# Altium PCB EDA-03517-V2-0_pcb.pcbdoc (part 1 of 5) (continued)
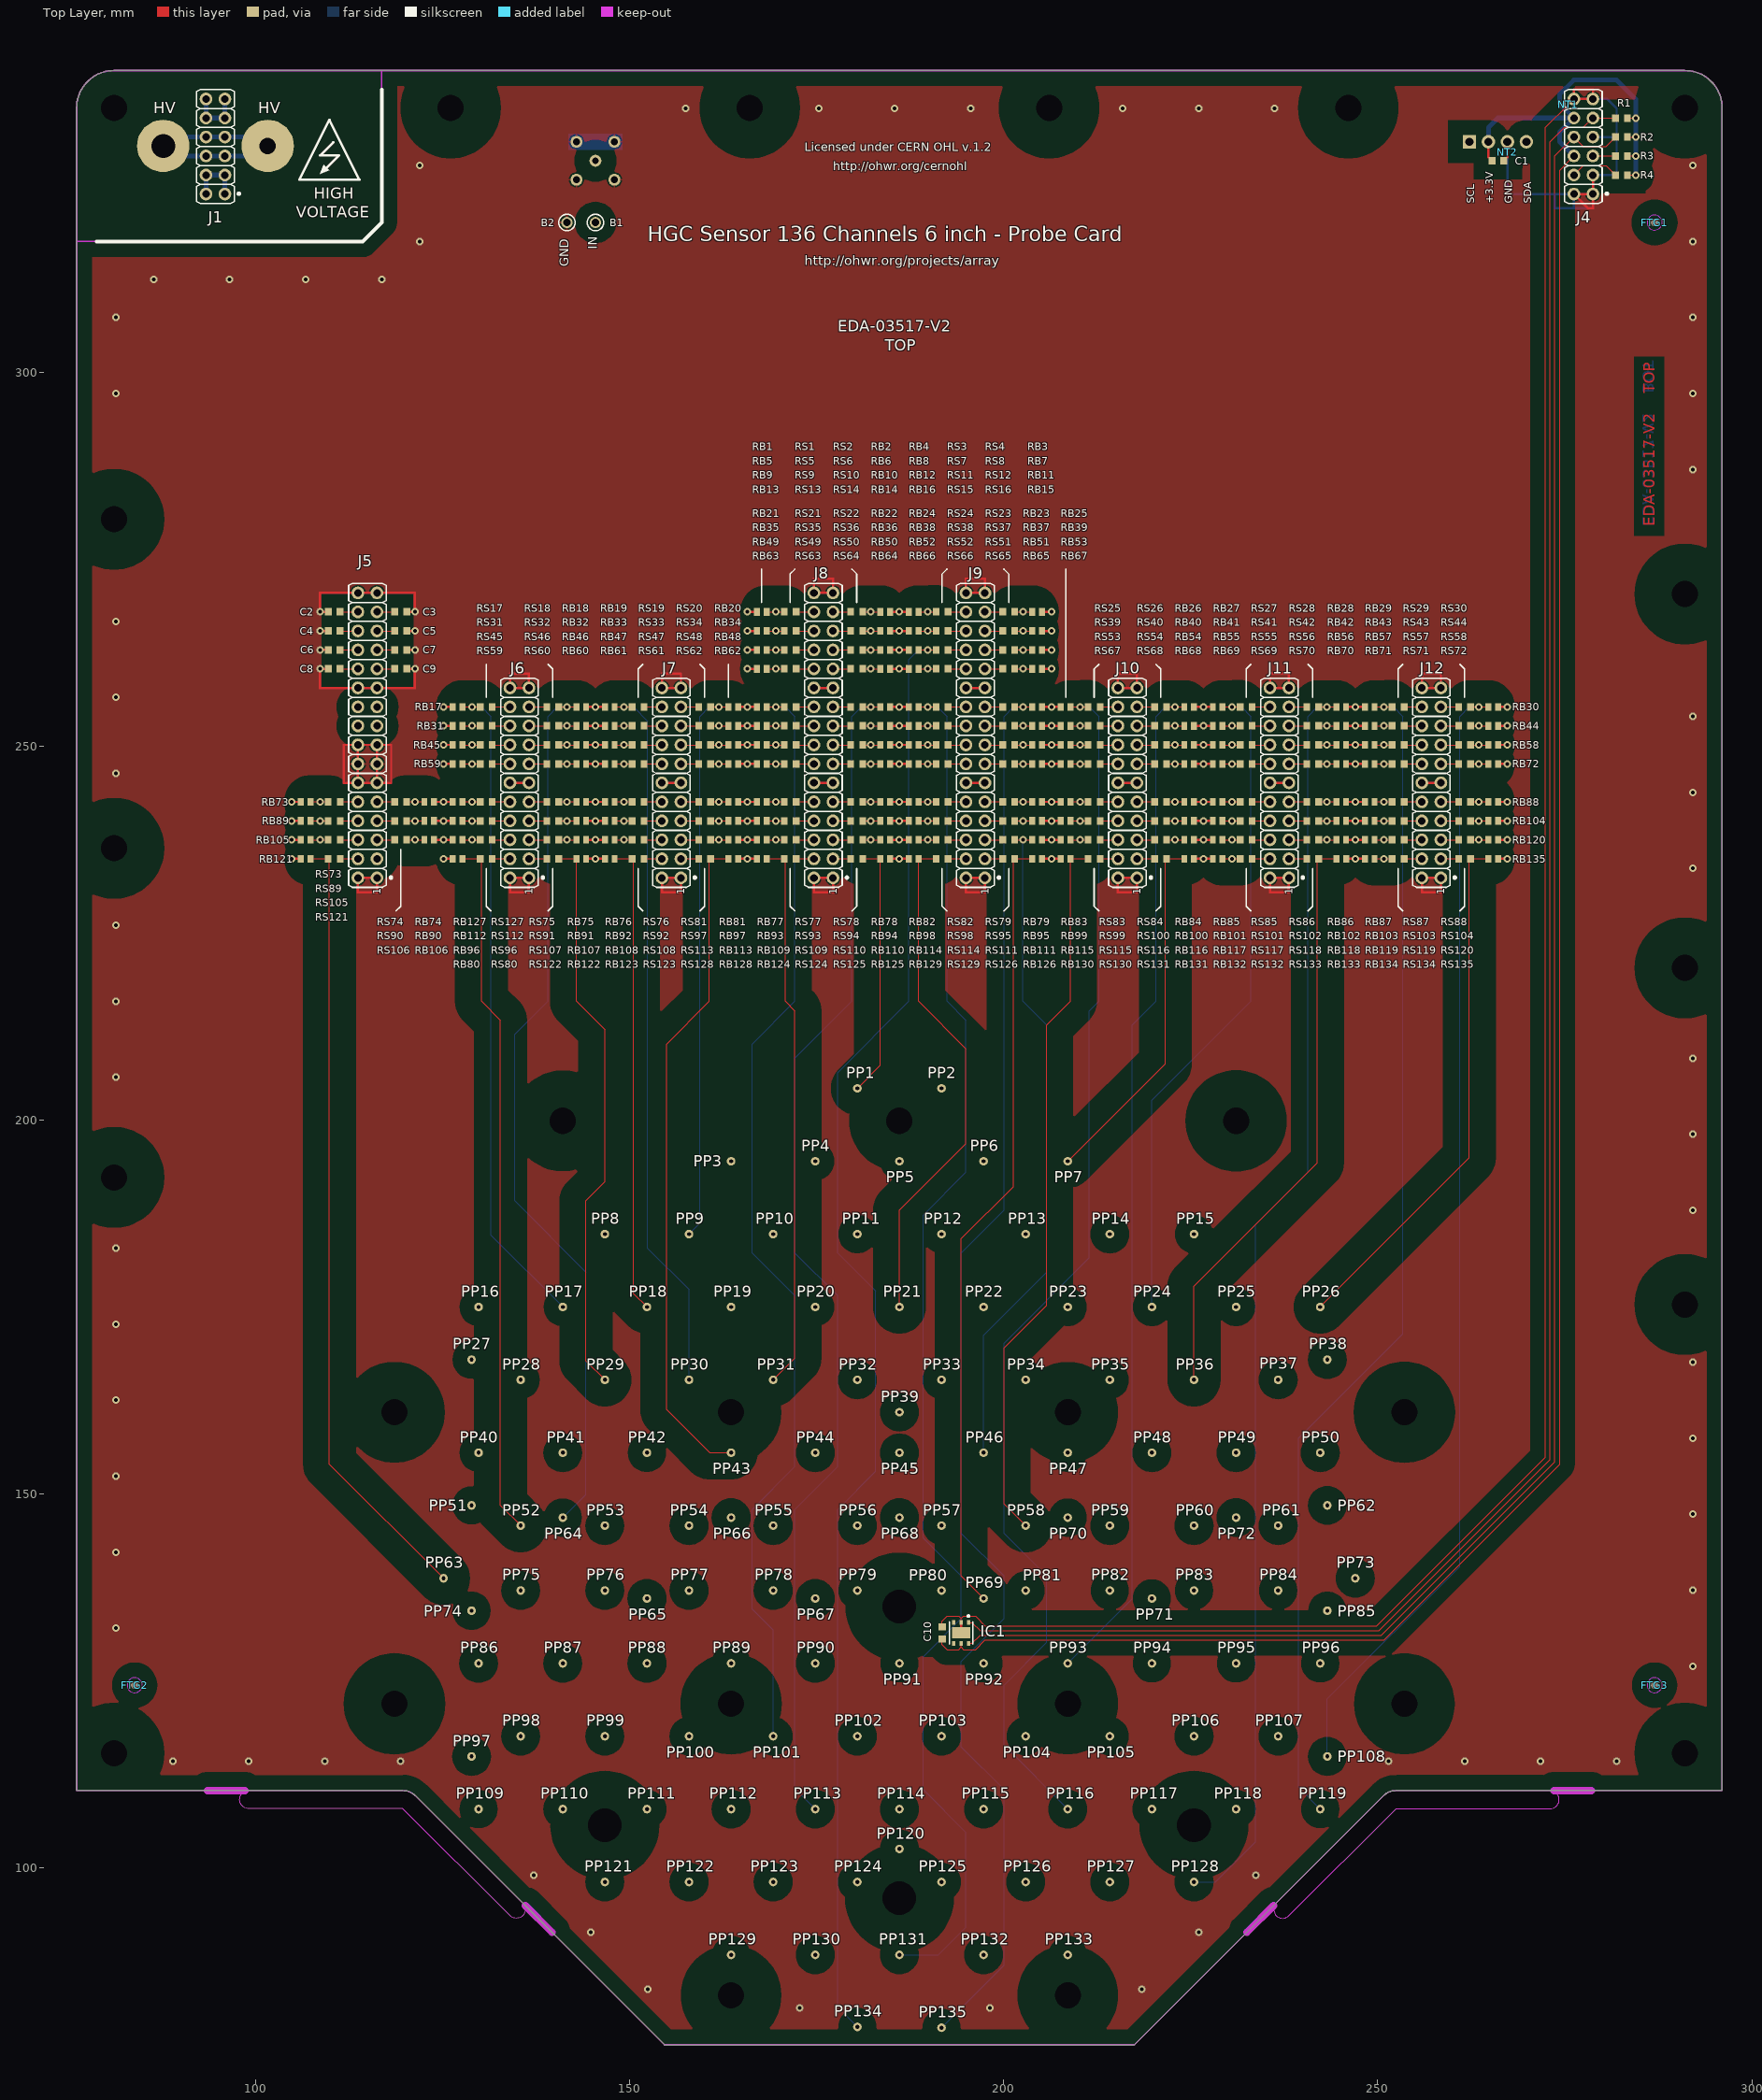
[diagram p0: Top Layer view]
## Components (designator, comment, footprint, x,y, rotation, side; value= is the part's Value field where it differs from the comment) (continued)
PP106 "Probe" MILL-MAX_0985-1-15-20-71-14-11-0 225.437,117.63 r0 bottom
PP107 "Probe" MILL-MAX_0985-1-15-20-71-14-11-0 236.689,117.63 r0 bottom
PP108 "Probe" MILL-MAX_0985-1-15-20-71-14-11-0 243.258,114.926 r0 bottom
PP109 "Probe" MILL-MAX_0985-1-15-20-71-14-11-0 129.795,107.886 r0 bottom
PP110 "Probe" MILL-MAX_0985-1-15-20-71-14-11-0 141.047,107.886 r0 bottom
PP111 "Probe" MILL-MAX_0985-1-15-20-71-14-11-0 152.299,107.886 r0 bottom
PP112 "Probe" MILL-MAX_0985-1-15-20-71-14-11-0 163.551,107.886 r0 bottom
PP113 "Probe" MILL-MAX_0985-1-15-20-71-14-11-0 174.803,107.886 r0 bottom
PP114 "Probe" MILL-MAX_0985-1-15-20-71-14-11-0 186.055,107.886 r0 bottom
PP115 "Probe" MILL-MAX_0985-1-15-20-71-14-11-0 197.307,107.886 r0 bottom
PP116 "Probe" MILL-MAX_0985-1-15-20-71-14-11-0 208.559,107.886 r0 bottom
PP117 "Probe" MILL-MAX_0985-1-15-20-71-14-11-0 219.811,107.886 r0 bottom
PP118 "Probe" MILL-MAX_0985-1-15-20-71-14-11-0 231.063,107.886 r0 bottom
PP119 "Probe" MILL-MAX_0985-1-15-20-71-14-11-0 242.315,107.886 r0 bottom
PP120 "Probe" MILL-MAX_0985-1-15-20-71-14-11-0 186.055,102.56 r0 bottom
PP121 "Probe" MILL-MAX_0985-1-15-20-71-14-11-0 146.673,98.141 r0 bottom
PP122 "Probe" MILL-MAX_0985-1-15-20-71-14-11-0 157.925,98.141 r0 bottom
PP123 "Probe" MILL-MAX_0985-1-15-20-71-14-11-0 169.177,98.141 r0 bottom
PP124 "Probe" MILL-MAX_0985-1-15-20-71-14-11-0 180.429,98.141 r0 bottom
PP125 "Probe" MILL-MAX_0985-1-15-20-71-14-11-0 191.681,98.141 r0 bottom
PP126 "Probe" MILL-MAX_0985-1-15-20-71-14-11-0 202.933,98.141 r0 bottom
PP127 "Probe" MILL-MAX_0985-1-15-20-71-14-11-0 214.185,98.141 r0 bottom
PP128 "Probe" MILL-MAX_0985-1-15-20-71-14-11-0 225.437,98.141 r0 bottom
PP129 "Probe" MILL-MAX_0985-1-15-20-71-14-11-0 163.551,88.397 r0 bottom
PP130 "Probe" MILL-MAX_0985-1-15-20-71-14-11-0 174.803,88.397 r0 bottom
PP131 "Probe" MILL-MAX_0985-1-15-20-71-14-11-0 186.055,88.397 r0 bottom
PP132 "Probe" MILL-MAX_0985-1-15-20-71-14-11-0 197.307,88.397 r0 bottom
PP133 "Probe" MILL-MAX_0985-1-15-20-71-14-11-0 208.559,88.397 r0 bottom
PP134 "Probe" MILL-MAX_0985-1-15-20-71-14-11-0 180.435,78.76 r0 bottom
PP135 "Probe" MILL-MAX_0985-1-15-20-71-14-11-0 191.681,78.652 r0 bottom
R1 "10k" RESC1608X55N 282.575,334.01 r0 top
R2 "10k" RESC1608X55N 282.575,331.47 r0 top
R3 "10k" RESC1608X55N 282.575,328.93 r0 top
R4 "10k" RESC1608X55N 282.575,326.39 r0 top
RB1 "10M" RESC1508X63N 167.64,267.97 r180 top
RB2 "10M" RESC1508X63N 184.15,267.97 r0 top
RB3 "10M" RESC1508X63N 204.47,267.97 r0 top
RB4 "10M" RESC1508X63N 187.96,267.97 r180 top
RB5 "10M" RESC1508X63N 167.64,265.43 r180 top
RB6 "10M" RESC1508X63N 184.15,265.43 r0 top
RB7 "10M" RESC1508X63N 204.47,265.43 r0 top
RB8 "10M" RESC1508X63N 187.96,265.43 r180 top
RB9 "10M" RESC1508X63N 167.64,262.89 r180 top
RB10 "10M" RESC1508X63N 184.15,262.89 r0 top
RB11 "10M" RESC1508X63N 204.47,262.89 r0 top
RB12 "10M" RESC1508X63N 187.96,262.89 r180 top
RB13 "10M" RESC1508X63N 167.64,260.35 r180 top
RB14 "10M" RESC1508X63N 184.15,260.35 r0 top
RB15 "10M" RESC1508X63N 204.47,260.35 r0 top
RB16 "10M" RESC1508X63N 187.96,260.35 r180 top
RB17 "10M" RESC1508X63N 127,255.27 r180 top
RB18 "10M" RESC1508X63N 143.51,255.27 r0 top
RB19 "10M" RESC1508X63N 147.32,255.27 r180 top
RB20 "10M" RESC1508X63N 163.83,255.27 r0 top
RB21 "10M" RESC1508X63N 167.64,255.27 r180 top
RB22 "10M" RESC1508X63N 184.15,255.27 r0 top
RB23 "10M" RESC1508X63N 204.47,255.27 r0 top
RB24 "10M" RESC1508X63N 187.96,255.27 r180 top
RB25 "10M" RESC1508X63N 208.28,255.27 r180 top
RB26 "10M" RESC1508X63N 224.79,255.27 r0 top
RB27 "10M" RESC1508X63N 228.6,255.27 r180 top
RB28 "10M" RESC1508X63N 245.11,255.27 r0 top
RB29 "10M" RESC1508X63N 248.92,255.27 r180 top
RB30 "10M" RESC1508X63N 265.43,255.27 r0 top
RB31 "10M" RESC1508X63N 127,252.73 r180 top
RB32 "10M" RESC1508X63N 143.51,252.73 r0 top
RB33 "10M" RESC1508X63N 147.32,252.73 r180 top
RB34 "10M" RESC1508X63N 163.83,252.73 r0 top
RB35 "10M" RESC1508X63N 167.64,252.73 r180 top
RB36 "10M" RESC1508X63N 184.15,252.73 r0 top
RB37 "10M" RESC1508X63N 204.47,252.73 r0 top
RB38 "10M" RESC1508X63N 187.96,252.73 r180 top
RB39 "10M" RESC1508X63N 208.28,252.73 r180 top
RB40 "10M" RESC1508X63N 224.79,252.73 r0 top
RB41 "10M" RESC1508X63N 228.6,252.73 r180 top
RB42 "10M" RESC1508X63N 245.11,252.73 r0 top
RB43 "10M" RESC1508X63N 248.92,252.73 r180 top
RB44 "10M" RESC1508X63N 265.43,252.73 r0 top
RB45 "10M" RESC1508X63N 127,250.19 r180 top
RB46 "10M" RESC1508X63N 143.51,250.19 r0 top
RB47 "10M" RESC1508X63N 147.32,250.19 r180 top
RB48 "10M" RESC1508X63N 163.83,250.19 r0 top
RB49 "10M" RESC1508X63N 167.64,250.19 r180 top
RB50 "10M" RESC1508X63N 184.15,250.19 r0 top
RB51 "10M" RESC1508X63N 204.47,250.19 r0 top
RB52 "10M" RESC1508X63N 187.96,250.19 r180 top
RB53 "10M" RESC1508X63N 208.28,250.19 r180 top
RB54 "10M" RESC1508X63N 224.79,250.19 r0 top
RB55 "10M" RESC1508X63N 228.6,250.19 r180 top
RB56 "10M" RESC1508X63N 245.11,250.19 r0 top
RB57 "10M" RESC1508X63N 248.92,250.19 r180 top
RB58 "10M" RESC1508X63N 265.43,250.19 r0 top
RB59 "10M" RESC1508X63N 127,247.65 r180 top
RB60 "10M" RESC1508X63N 143.51,247.65 r0 top
RB61 "10M" RESC1508X63N 147.32,247.65 r180 top
RB62 "10M" RESC1508X63N 163.83,247.65 r0 top
RB63 "10M" RESC1508X63N 167.64,247.65 r180 top
RB64 "10M" RESC1508X63N 184.15,247.65 r0 top
RB65 "10M" RESC1508X63N 204.47,247.65 r0 top
RB66 "10M" RESC1508X63N 187.96,247.65 r180 top
RB67 "10M" RESC1508X63N 208.28,247.65 r180 top
RB68 "10M" RESC1508X63N 224.79,247.65 r0 top
RB69 "10M" RESC1508X63N 228.6,247.65 r180 top
RB70 "10M" RESC1508X63N 245.11,247.65 r0 top
RB71 "10M" RESC1508X63N 248.92,247.65 r180 top
RB72 "10M" RESC1508X63N 265.43,247.65 r0 top
RB73 "10M" RESC1508X63N 106.68,242.57 r180 top
RB74 "10M" RESC1508X63N 123.19,242.57 r0 top
RB75 "10M" RESC1508X63N 143.51,242.57 r0 top
RB76 "10M" RESC1508X63N 147.32,242.57 r180 top
RB77 "10M" RESC1508X63N 167.64,242.57 r180 top
RB78 "10M" RESC1508X63N 184.15,242.57 r0 top
RB79 "10M" RESC1508X63N 204.47,242.57 r0 top
RB80 "10M" RESC1508X63N 127,242.57 r180 top
RB81 "10M" RESC1508X63N 163.83,242.57 r0 top
RB82 "10M" RESC1508X63N 187.96,242.57 r180 top
RB83 "10M" RESC1508X63N 208.28,242.57 r180 top
RB84 "10M" RESC1508X63N 224.79,242.57 r0 top
RB85 "10M" RESC1508X63N 228.6,242.57 r180 top
RB86 "10M" RESC1508X63N 245.11,242.57 r0 top
RB87 "10M" RESC1508X63N 248.92,242.57 r180 top
RB88 "10M" RESC1508X63N 265.43,242.57 r0 top
RB89 "10M" RESC1508X63N 106.68,240.03 r180 top
RB90 "10M" RESC1508X63N 123.19,240.03 r0 top
RB91 "10M" RESC1508X63N 143.51,240.03 r0 top
RB92 "10M" RESC1508X63N 147.32,240.03 r180 top
RB93 "10M" RESC1508X63N 167.64,240.03 r180 top
RB94 "10M" RESC1508X63N 184.15,240.03 r0 top
RB95 "10M" RESC1508X63N 204.47,240.03 r0 top
RB96 "10M" RESC1508X63N 127,240.03 r180 top
RB97 "10M" RESC1508X63N 163.83,240.03 r0 top
RB98 "10M" RESC1508X63N 187.96,240.03 r180 top
RB99 "10M" RESC1508X63N 208.28,240.03 r180 top
RB100 "10M" RESC1508X63N 224.79,240.03 r0 top
RB101 "10M" RESC1508X63N 228.6,240.03 r180 top
RB102 "10M" RESC1508X63N 245.11,240.03 r0 top
RB103 "10M" RESC1508X63N 248.92,240.03 r180 top
RB104 "10M" RESC1508X63N 265.43,240.03 r0 top
RB105 "10M" RESC1508X63N 106.68,237.49 r180 top
RB106 "10M" RESC1508X63N 123.19,237.49 r0 top
RB107 "10M" RESC1508X63N 143.51,237.49 r0 top
RB108 "10M" RESC1508X63N 147.32,237.49 r180 top
RB109 "10M" RESC1508X63N 167.64,237.49 r180 top
RB110 "10M" RESC1508X63N 184.15,237.49 r0 top
RB111 "10M" RESC1508X63N 204.47,237.49 r0 top
RB112 "10M" RESC1508X63N 127,237.49 r180 top
RB113 "10M" RESC1508X63N 163.83,237.49 r0 top
RB114 "10M" RESC1508X63N 187.96,237.49 r180 top
RB115 "10M" RESC1508X63N 208.28,237.49 r180 top
RB116 "10M" RESC1508X63N 224.79,237.49 r0 top
RB117 "10M" RESC1508X63N 228.6,237.49 r180 top
RB118 "10M" RESC1508X63N 245.11,237.49 r0 top
RB119 "10M" RESC1508X63N 248.92,237.49 r180 top
RB120 "10M" RESC1508X63N 265.43,237.49 r0 top
RB121 "10M" RESC1508X63N 106.68,234.95 r180 top
RB122 "10M" RESC1508X63N 143.51,234.95 r0 top
RB123 "10M" RESC1508X63N 147.32,234.95 r180 top
RB124 "10M" RESC1508X63N 167.64,234.95 r180 top
RB125 "10M" RESC1508X63N 184.15,234.95 r0 top
RB126 "10M" RESC1508X63N 204.47,234.95 r0 top
RB127 "10M" RESC1508X63N 127,234.95 r180 top
RB128 "10M" RESC1508X63N 163.83,234.95 r0 top
RB129 "10M" RESC1508X63N 187.96,234.95 r180 top
RB130 "10M" RESC1508X63N 208.28,234.95 r180 top
RB131 "10M" RESC1508X63N 224.79,234.95 r0 top
RB132 "10M" RESC1508X63N 228.6,234.95 r180 top
RB133 "10M" RESC1508X63N 245.125,234.95 r0 top
RB134 "10M" RESC1508X63N 248.92,234.95 r180 top
RB135 "10M" RESC1508X63N 265.43,234.95 r0 top
RS1 "0" RESC1608X55N 171.45,267.97 r0 top
RS2 "0" RESC1608X55N 180.34,267.97 r180 top
RS3 "0" RESC1608X55N 191.77,267.97 r0 top
RS4 "0" RESC1608X55N 200.66,267.97 r180 top
RS5 "0" RESC1608X55N 171.45,265.43 r0 top
RS6 "0" RESC1608X55N 180.34,265.43 r180 top
RS7 "0" RESC1608X55N 191.77,265.43 r0 top
RS8 "0" RESC1608X55N 200.66,265.43 r180 top
RS9 "0" RESC1608X55N 171.45,262.89 r0 top
RS10 "0" RESC1608X55N 180.34,262.89 r180 top
RS11 "0" RESC1608X55N 191.77,262.89 r0 top
RS12 "0" RESC1608X55N 200.66,262.89 r180 top
RS13 "0" RESC1608X55N 171.45,260.35 r0 top
RS14 "0" RESC1608X55N 180.34,260.35 r180 top
RS15 "0" RESC1608X55N 191.77,260.35 r0 top
RS16 "0" RESC1608X55N 200.66,260.35 r180 top
RS17 "0" RESC1608X55N 130.81,255.27 r0 top
RS18 "0" RESC1608X55N 139.7,255.27 r180 top
RS19 "0" RESC1608X55N 151.13,255.27 r0 top
RS20 "0" RESC1608X55N 160.02,255.27 r180 top
RS21 "0" RESC1608X55N 171.45,255.27 r0 top
RS22 "0" RESC1608X55N 180.34,255.27 r180 top
RS23 "0" RESC1608X55N 200.66,255.27 r180 top
RS24 "0" RESC1608X55N 191.77,255.27 r0 top
RS25 "0" RESC1608X55N 212.09,255.27 r0 top
RS26 "0" RESC1608X55N 220.98,255.27 r180 top
RS27 "0" RESC1608X55N 232.41,255.27 r0 top
RS28 "0" RESC1608X55N 241.3,255.27 r180 top
RS29 "0" RESC1608X55N 252.73,255.27 r0 top
RS30 "0" RESC1608X55N 261.62,255.27 r180 top
RS31 "0" RESC1608X55N 130.81,252.73 r0 top
RS32 "0" RESC1608X55N 139.7,252.73 r180 top
RS33 "0" RESC1608X55N 151.13,252.73 r0 top
RS34 "0" RESC1608X55N 160.02,252.73 r180 top
RS35 "0" RESC1608X55N 171.45,252.73 r0 top
RS36 "0" RESC1608X55N 180.34,252.73 r180 top
RS37 "0" RESC1608X55N 200.66,252.73 r180 top
RS38 "0" RESC1608X55N 191.77,252.73 r0 top
RS39 "0" RESC1608X55N 212.09,252.73 r0 top
RS40 "0" RESC1608X55N 220.98,252.73 r180 top
RS41 "0" RESC1608X55N 232.41,252.73 r0 top
RS42 "0" RESC1608X55N 241.3,252.73 r180 top
RS43 "0" RESC1608X55N 252.73,252.73 r0 top
RS44 "0" RESC1608X55N 261.62,252.73 r180 top
RS45 "0" RESC1608X55N 130.81,250.19 r0 top
RS46 "0" RESC1608X55N 139.7,250.19 r180 top
RS47 "0" RESC1608X55N 151.13,250.19 r0 top
RS48 "0" RESC1608X55N 160.02,250.19 r180 top
RS49 "0" RESC1608X55N 171.45,250.19 r0 top
RS50 "0" RESC1608X55N 180.34,250.19 r180 top
RS51 "0" RESC1608X55N 200.66,250.19 r180 top
RS52 "0" RESC1608X55N 191.77,250.19 r0 top
RS53 "0" RESC1608X55N 212.09,250.19 r0 top
RS54 "0" RESC1608X55N 220.98,250.19 r180 top
RS55 "0" RESC1608X55N 232.41,250.19 r0 top
RS56 "0" RESC1608X55N 241.3,250.19 r180 top
RS57 "0" RESC1608X55N 252.73,250.19 r0 top
RS58 "0" RESC1608X55N 261.62,250.19 r180 top
RS59 "0" RESC1608X55N 130.81,247.65 r0 top
RS60 "0" RESC1608X55N 139.7,247.65 r180 top
RS61 "0" RESC1608X55N 151.13,247.65 r0 top
RS62 "0" RESC1608X55N 160.02,247.65 r180 top
RS63 "0" RESC1608X55N 171.45,247.65 r0 top
RS64 "0" RESC1608X55N 180.34,247.65 r180 top
RS65 "0" RESC1608X55N 200.66,247.65 r180 top
RS66 "0" RESC1608X55N 191.77,247.65 r0 top
RS67 "0" RESC1608X55N 212.09,247.65 r0 top
RS68 "0" RESC1608X55N 220.98,247.65 r180 top
RS69 "0" RESC1608X55N 232.41,247.65 r0 top
RS70 "0" RESC1608X55N 241.3,247.65 r180 top
RS71 "0" RESC1608X55N 252.73,247.65 r0 top
RS72 "0" RESC1608X55N 261.62,247.65 r180 top
RS73 "0" RESC1608X55N 110.49,242.57 r0 top
RS74 "0" RESC1608X55N 119.38,242.57 r180 top
RS75 "0" RESC1608X55N 139.7,242.57 r180 top
RS76 "0" RESC1608X55N 151.13,242.57 r0 top
RS77 "0" RESC1608X55N 171.45,242.57 r0 top
RS78 "0" RESC1608X55N 180.34,242.57 r180 top
RS79 "0" RESC1608X55N 200.66,242.57 r180 top
RS80 "0" RESC1608X55N 130.81,242.57 r0 top
RS81 "0" RESC1608X55N 160.02,242.57 r180 top
RS82 "0" RESC1608X55N 191.77,242.57 r0 top
RS83 "0" RESC1608X55N 212.09,242.57 r0 top
RS84 "0" RESC1608X55N 220.98,242.57 r180 top
RS85 "0" RESC1608X55N 232.41,242.57 r0 top
RS86 "0" RESC1608X55N 241.3,242.57 r180 top
RS87 "0" RESC1608X55N 252.73,242.57 r0 top
RS88 "0" RESC1608X55N 261.62,242.57 r180 top
RS89 "0" RESC1608X55N 110.49,240.03 r0 top
RS90 "0" RESC1608X55N 119.38,240.03 r180 top
RS91 "0" RESC1608X55N 139.7,240.03 r180 top
RS92 "0" RESC1608X55N 151.13,240.03 r0 top
RS93 "0" RESC1608X55N 171.45,240.03 r0 top
RS94 "0" RESC1608X55N 180.34,240.03 r180 top
RS95 "0" RESC1608X55N 200.66,240.03 r180 top
RS96 "0" RESC1608X55N 130.81,240.03 r0 top
RS97 "0" RESC1608X55N 160.02,240.03 r180 top
RS98 "0" RESC1608X55N 191.77,240.03 r0 top
RS99 "0" RESC1608X55N 212.09,240.03 r0 top
RS100 "0" RESC1608X55N 220.98,240.03 r180 top
RS101 "0" RESC1608X55N 232.41,240.03 r0 top
RS102 "0" RESC1608X55N 241.3,240.03 r180 top
RS103 "0" RESC1608X55N 252.73,240.03 r0 top
RS104 "0" RESC1608X55N 261.62,240.03 r180 top
RS105 "0" RESC1608X55N 110.49,237.49 r0 top
RS106 "0" RESC1608X55N 119.38,237.49 r180 top
RS107 "0" RESC1608X55N 139.7,237.49 r180 top
RS108 "0" RESC1608X55N 151.13,237.49 r0 top
RS109 "0" RESC1608X55N 171.45,237.49 r0 top
RS110 "0" RESC1608X55N 180.34,237.49 r180 top
RS111 "0" RESC1608X55N 200.66,237.49 r180 top
RS112 "0" RESC1608X55N 130.81,237.49 r0 top
RS113 "0" RESC1608X55N 160.02,237.49 r180 top
RS114 "0" RESC1608X55N 191.77,237.49 r0 top
RS115 "0" RESC1608X55N 212.09,237.49 r0 top
RS116 "0" RESC1608X55N 220.98,237.49 r180 top
RS117 "0" RESC1608X55N 232.41,237.49 r0 top
RS118 "0" RESC1608X55N 241.3,237.49 r180 top
RS119 "0" RESC1608X55N 252.73,237.49 r0 top
RS120 "0" RESC1608X55N 261.62,237.49 r180 top
RS121 "0" RESC1608X55N 110.49,234.95 r0 top
RS122 "0" RESC1608X55N 139.7,234.95 r180 top
RS123 "0" RESC1608X55N 151.13,234.95 r0 top
RS124 "0" RESC1608X55N 171.45,234.95 r0 top
RS125 "0" RESC1608X55N 180.34,234.95 r180 top
RS126 "0" RESC1608X55N 200.66,234.95 r180 top
RS127 "0" RESC1608X55N 130.81,234.95 r0 top
RS128 "0" RESC1608X55N 160.02,234.95 r180 top
RS129 "0" RESC1608X55N 191.77,234.95 r0 top
RS130 "0" RESC1608X55N 212.09,234.95 r0 top
RS131 "0" RESC1608X55N 220.98,234.95 r180 top
RS132 "0" RESC1608X55N 232.41,234.95 r0 top
RS133 "0" RESC1608X55N 241.3,234.95 r180 top
RS134 "0" RESC1608X55N 252.73,234.95 r0 top
RS135 "0" RESC1608X55N 261.62,234.95 r180 top

## Footprints (in the part's own frame and the unit in brackets; to place one, negate y for a bottom-side part, rotate by r counter-clockwise, add the part's x,y. Pads: shape width x height; smd on the part's side, far side on the other; paste and mask are expansions set on the pad)
c150h100 [mm] "Plated Through Hole: Hole Dia.=1mm Pad Dia.=1.5mm"
  round 1.5 hole 1: 1(0,0)
  silkscreen extent -1.1,-1.1 1.1,1.1
CAPC1608X87N [mm] "Chip Capacitor, Body 1.6x0.8mm IPC Medium Density"
  rect 0.95x1 smd: 1(-0.8,0) 2(0.8,0)
  body extent -0.87,-0.47 0.88,0.48, height 0.87
FIDUCIAL_TOP_C100-200 [mm] "Round Fiducial Target, Top Layer, 1.0mm, Top Solder 2.0mm, Keepout =2.0mm"
  round 1 smd paste-0.51 mask+0.5: FTG2(0,0)
  Top Layer keep-out circle w0.1: c0,0 r1
LEMO_EPK.00.250.NTN [mm] "50 Ohm size 00 Coaxial Elbow (90°) socket"
  round 1.6 hole 0.9: 1(0,0)
  rect 2.2x2.2 / inner round 1.6 / far side round 1.6 hole 0.9: 2(-2.54,-2.54) 2(-2.54,2.54) 2(2.54,-2.54) 2(2.54,2.54)
  Top Layer region: 1.44,3.64 3.64,3.64 3.64,-3.64 1.44,-3.64
  silkscreen extent -3.5,-3.5 14,3.5, body extent -3.5,-3.5 14,3.5, height 7
MILL-MAX_0985-1-15-20-71-14-11-0 [mm] "Probe, Spring-Loaded Pin, 2A Continuous, 3A Peak, -55..125°C (Soldered Pin 3.81mm)"
  round 1.15 hole 0.55: 1(0,0)
  body extent -0.54,-0.54 0.55,0.55, height 6.27
"Net Tie" [mil] "SMD Net Tie"
  rect 5x5 smd paste-2.5 mask-2.5: 1(0,0) 2(10,0)
  Top Layer lines w6: 0,0 10,0
RESC1508X63N [mm] "Chip Resistor, EIA 0603, Metric 1608, Body 1.5x0.8mm, IPC Medium Density"
  rect 0.8x1.02 smd: 1(-0.65,0) 2(0.65,0)
  body extent -0.76,-0.42 0.76,0.43, height 0.63
RESC1608X55N [mm] "Chip Resistor, EIA 0603, Metric 1608, Body 1.6x0.8mm, IPC Medium Density"
  rect 0.9x1 smd: 1(-0.8,0) 2(0.8,0)
  body extent -0.87,-0.47 0.88,0.48, height 0.55
SAMTEC_MTLW-106-07-L-D-250 [mm] "12 Contacts - Pitch 2.54mm - Dual Row Through Mount Straight Header (Post Lead = 6.35mm, Tail Lead 3.05mm, Insulator 1.52mm)"
  round 1.7 hole 1: 1(-6.35,-1.27) 2(-6.35,1.27) 3(-3.81,-1.27) 4(-3.81,1.27) 5(-1.27,-1.27) 6(-1.27,1.27) 7(1.27,-1.27) 8(1.27,1.27) 9(3.81,-1.27) 10(3.81,1.27) 11(6.35,-1.27) 12(6.35,1.27)
  silkscreen extent -7.62,-3.29 7.62,2.51, body extent -7.62,-2.51 7.62,2.51, height 7.87
SAMTEC_MTLW-111-07-L-D-250 [mm] "22 Contacts - Pitch 2.54mm - Dual Row Through Mount Straight Header (Post Lead = 6.35mm, Tail Lead 3.05mm, Insulator 1.52mm)"
  round 1.7 hole 1: 1(-12.7,-1.27) 2(-12.7,1.27) 3(-10.16,-1.27) 4(-10.16,1.27) 5(-7.62,-1.27) 6(-7.62,1.27) 7(-5.08,-1.27) 8(-5.08,1.27) 9(-2.54,-1.27) 10(-2.54,1.27) 11(0,-1.27) 12(0,1.27) 13(2.54,-1.27) 14(2.54,1.27) 15(5.08,-1.27) 16(5.08,1.27) 17(7.62,-1.27) 18(7.62,1.27) 19(10.16,-1.27) 20(10.16,1.27) 21(12.7,-1.27) 22(12.7,1.27)
  silkscreen extent -13.97,-3.29 13.97,2.51, body extent -13.97,-2.51 13.97,2.51, height 7.87
SAMTEC_MTLW-116-07-L-D-250 [mm] "32 Contacts - Pitch 2.54mm - Dual Row Through Mount Straight Header (Post Lead = 6.35mm, Tail Lead 3.05mm, Insulator 1.52mm)"
  round 1.7 hole 1: 1(-19.05,-1.27) 2(-19.05,1.27) 3(-16.51,-1.27) 4(-16.51,1.27) 5(-13.97,-1.27) 6(-13.97,1.27) 7(-11.43,-1.27) 8(-11.43,1.27) 9(-8.89,-1.27) 10(-8.89,1.27) 11(-6.35,-1.27) 12(-6.35,1.27) 13(-3.81,-1.27) 14(-3.81,1.27) 15(-1.27,-1.27) 16(-1.27,1.27) 17(1.27,-1.27) 18(1.27,1.27) 19(3.81,-1.27) 20(3.81,1.27) 21(6.35,-1.27) 22(6.35,1.27) 23(8.89,-1.27) 24(8.89,1.27) 25(11.43,-1.27) 26(11.43,1.27) 27(13.97,-1.27) 28(13.97,1.27) 29(16.51,-1.27) 30(16.51,1.27) 31(19.05,-1.27) 32(19.05,1.27)
  silkscreen extent -20.32,-3.29 20.32,2.51, body extent -20.32,-2.51 20.32,2.51, height 7.87
SAMTEC_SSW-104-02-L-S-RA [mm] "4 Contacts, Pitch 2.54mm, Single Row Through Mount Right Angle Socket (Lead Length 2.54mm)"
  rect 1.8x1.8 hole 1.1: 1(3.81,0)
  round 1.8 hole 1.1: 2(1.27,0) 3(-1.27,0) 4(-3.81,0)
  silkscreen extent -5.33,-0.18 5.59,10.03, body extent -5.33,-0.2 5.33,10.03, height 2.41
SENSIRION_SHT2X [mm] "SON, 1.00mm, Pitch; 6 Pin, 3.00mm W X 3.00mm L X 1.20mm H body (W/Thermal Tab 1.40 X 2.3mm), SEMIRION DFN"
  rect 0.6x0.4 smd: 1(1.4,-1) 2(1.4,0) 3(1.4,1) 4(-1.4,1) 5(-1.4,0) 6(-1.4,-1)
  rect 1.5x2.4 smd: 7(0,0)
  silkscreen extent -1.5,-1.55 2.37,1.55, body extent -1.5,-1.5 1.5,1.5, height 1.05